# KiCad board VERA-XE-HDMI-Expansion.kicad_pcb
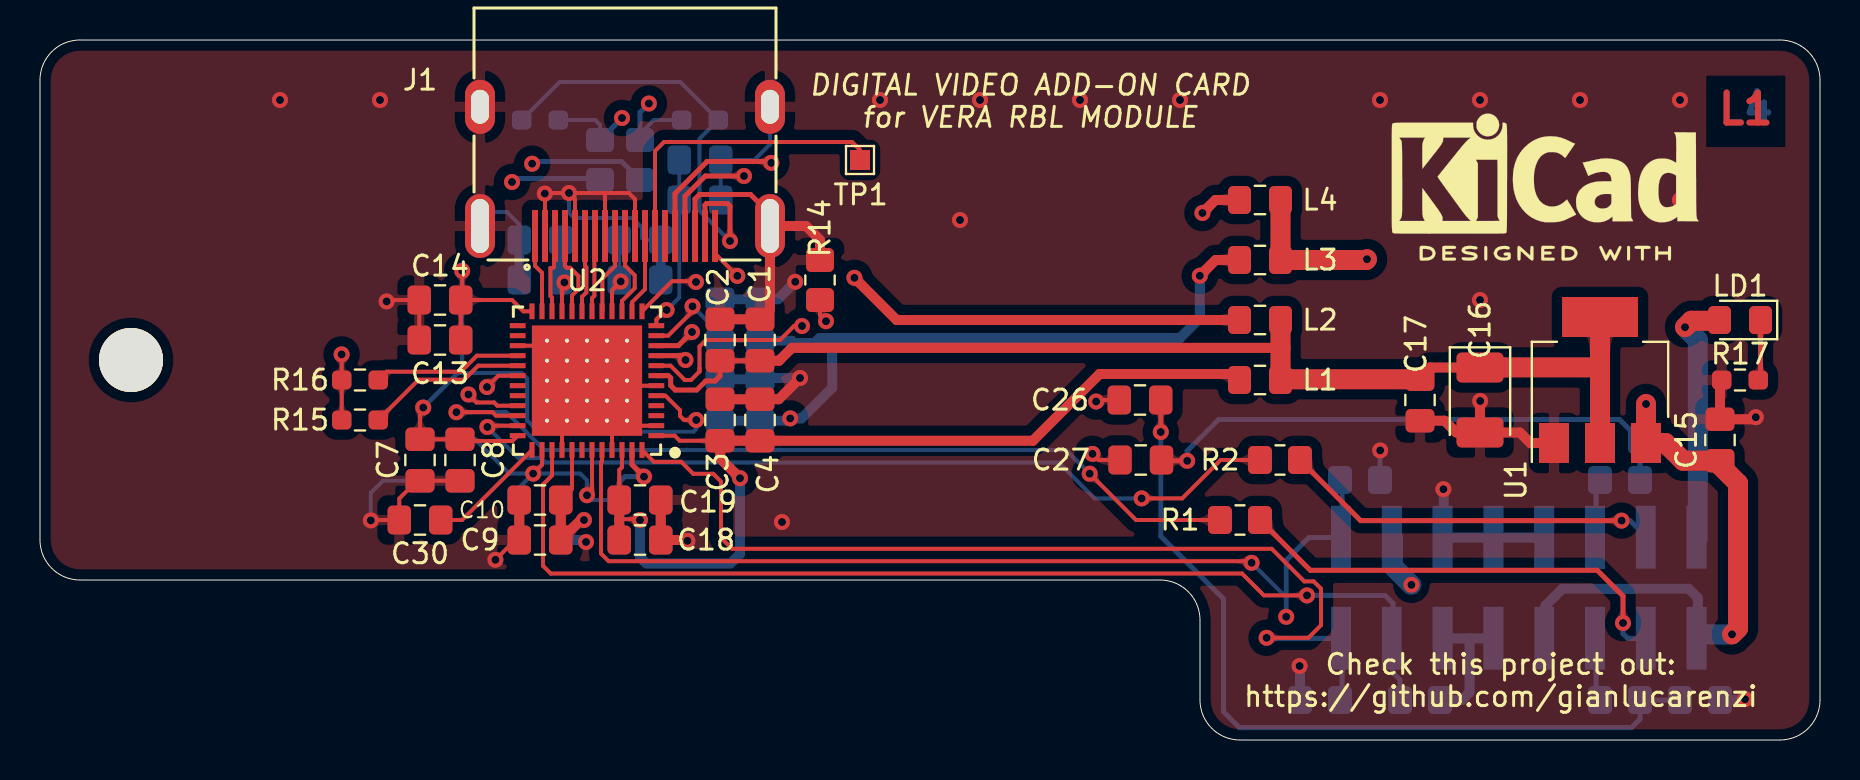
[diagram p0: board, top side]
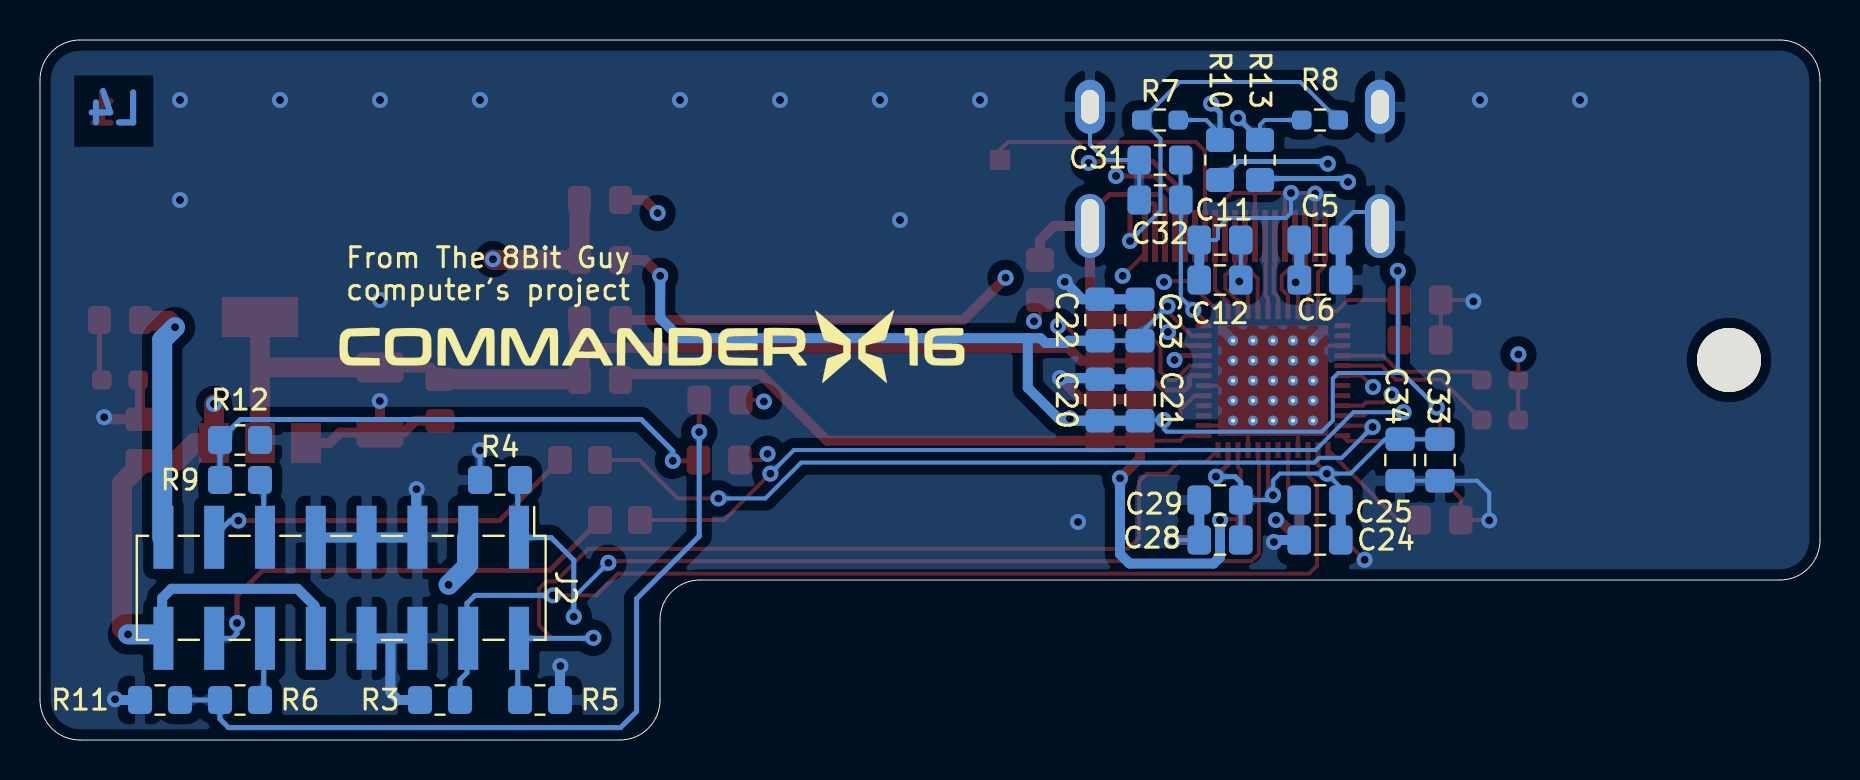
[diagram p1: board, bottom side, seen from below]

Outline 89 x 35 mm; copper layers: Top, In1.Cu, In2.Cu (plane), Bottom. Coordinates in mm from the lower left corner of the outline.
Outline path: 0,33 0,10 arc(0.59,8.59) 2,8 56,8 arc(57.41,7.41) 58,6 58,2 arc(58.59,0.59) 60,0 87,0 arc(88.41,0.59) 89,2 89,33 arc(88.41,34.41) 87,35 2,35 arc(0.59,34.41) 0,33

## Placement (name value [footprint] x y rotation side)
C1  22uF  [C_0805_2012Metric_Pad1.18x1.45mm_HandSolder]  36 20 90 top
C2  100nF  [C_0805_2012Metric_Pad1.18x1.45mm_HandSolder]  34 20 90 top
C3  22uF  [C_0805_2012Metric_Pad1.18x1.45mm_HandSolder]  34 16 90 top
C4  100nF  [C_0805_2012Metric_Pad1.18x1.45mm_HandSolder]  36 16 90 top
C5  22uF  [C_0805_2012Metric_Pad1.18x1.45mm_HandSolder]  25 25 180 bottom
C6  100nF  [C_0805_2012Metric_Pad1.18x1.45mm_HandSolder]  25 23 180 bottom
C7  22uF  [C_0805_2012Metric_Pad1.18x1.45mm_HandSolder]  19 14 270 top
C8  100nF  [C_0805_2012Metric_Pad1.18x1.45mm_HandSolder]  21 14 270 top
C9  22uF  [C_0805_2012Metric_Pad1.18x1.45mm_HandSolder]  25 10 180 top
C10  100nF  [C_0805_2012Metric_Pad1.18x1.45mm_HandSolder]  25 12 180 top
C11  22uF  [C_0805_2012Metric_Pad1.18x1.45mm_HandSolder]  30 25 0 bottom
C12  100nF  [C_0805_2012Metric_Pad1.18x1.45mm_HandSolder]  30 23 0 bottom
C13  22uF  [C_0805_2012Metric_Pad1.18x1.45mm_HandSolder]  20 20 180 top
C14  100nF  [C_0805_2012Metric_Pad1.18x1.45mm_HandSolder]  20 22 180 top
C15  100nF  [C_0805_2012Metric_Pad1.18x1.45mm_HandSolder]  84 15 90 top
C16  10uF-20V  [CP_EIA-3528-12_Kemet-T_Pad1.50x2.35mm_HandSolder]  72 17 270 top
C17  100nF  [C_0805_2012Metric_Pad1.18x1.45mm_HandSolder]  69 17 270 top
C18  22uF  [C_0805_2012Metric_Pad1.18x1.45mm_HandSolder]  30 10 0 top
C19  100nF  [C_0805_2012Metric_Pad1.18x1.45mm_HandSolder]  30 12 0 top
C20  22uF  [C_0805_2012Metric_Pad1.18x1.45mm_HandSolder]  36 17 90 bottom
C21  100nF  [C_0805_2012Metric_Pad1.18x1.45mm_HandSolder]  34 17 90 bottom
C22  22uF  [C_0805_2012Metric_Pad1.18x1.45mm_HandSolder]  36 21 90 bottom
C23  100nF  [C_0805_2012Metric_Pad1.18x1.45mm_HandSolder]  34 21 90 bottom
C24  22uF  [C_0805_2012Metric_Pad1.18x1.45mm_HandSolder]  25 10 0 bottom
C25  100nF  [C_0805_2012Metric_Pad1.18x1.45mm_HandSolder]  25 12 0 bottom
C26  470nF  [C_0805_2012Metric_Pad1.18x1.45mm_HandSolder]  55 17 0 top
C27  470nF  [C_0805_2012Metric_Pad1.18x1.45mm_HandSolder]  55.04 14 0 top
C28  22uF  [C_0805_2012Metric_Pad1.18x1.45mm_HandSolder]  30 10 0 bottom
C29  100nF  [C_0805_2012Metric_Pad1.18x1.45mm_HandSolder]  30 12 0 bottom
C30  100nF  [C_0805_2012Metric_Pad1.18x1.45mm_HandSolder]  19 11 180 top
C31  22uF  [C_0805_2012Metric_Pad1.18x1.45mm_HandSolder]  33 29 0 bottom
C32  100nF  [C_0805_2012Metric_Pad1.18x1.45mm_HandSolder]  33 27 0 bottom
C33  22uF  [C_0805_2012Metric_Pad1.18x1.45mm_HandSolder]  19 14 270 bottom
C34  100nF  [C_0805_2012Metric_Pad1.18x1.45mm_HandSolder]  21 14 270 bottom
H1  MountingHole  [MountingHole_3.2mm_M3]  4.55 19 0 top
J1  CONN_HDMI_A  [CONN_HDMI-A]  36.5 25.7 180 top
J2  CONN_SMD_HEADER_02x08_Odd_Even_2.54mm  [PinHeader_2x08_P2.54mm_Vertical_SMD]  73.94 7.61 270 bottom
L1  FB080590R100MHZ850mA  [L_0805_2012Metric_Pad1.15x1.40mm_HandSolder]  61 18 180 top
L2  FB080590R100MHZ850mA  [L_0805_2012Metric_Pad1.15x1.40mm_HandSolder]  61 21 180 top
L3  FB080590R100MHZ850mA  [L_0805_2012Metric_Pad1.15x1.40mm_HandSolder]  61 24 180 top
L4  FB080590R100MHZ850mA  [L_0805_2012Metric_Pad1.15x1.40mm_HandSolder]  61 27 180 top
LD1  GREEN  [LED_0805_2012Metric_Pad1.15x1.40mm_HandSolder]  85 21 180 top
LOGO1  KiCAD Logo  [KiCad-Logo2_6mm_SilkScreen]  75.25 28.34 0 top
LOGO2  Commander X16 Project  [x16logo]  58.4 19.69 180 bottom
R1  100R  [R_0805_2012Metric_Pad1.20x1.40mm_HandSolder]  60 11 0 top
R2  100R  [R_0805_2012Metric_Pad1.20x1.40mm_HandSolder]  62 14 0 top
R3  75R  [R_0805_2012Metric_Pad1.20x1.40mm_HandSolder]  69 2 180 bottom
R4  75R  [R_0805_2012Metric_Pad1.20x1.40mm_HandSolder]  66 13 180 bottom
R5  75R  [R_0805_2012Metric_Pad1.20x1.40mm_HandSolder]  64 2 0 bottom
R6  10K  [R_0805_2012Metric_Pad1.20x1.40mm_HandSolder]  79 2 0 bottom
R7  2K7  [R_0603_1608Metric_Pad0.98x0.95mm_HandSolder]  33 31 180 bottom
R8  2K7  [R_0603_1608Metric_Pad0.98x0.95mm_HandSolder]  25 31 0 bottom
R9  10K  [R_0805_2012Metric_Pad1.20x1.40mm_HandSolder]  79 13 0 bottom
R10  100R  [R_0805_2012Metric_Pad1.20x1.40mm_HandSolder]  30 29 270 bottom
R11  10K  [R_0805_2012Metric_Pad1.20x1.40mm_HandSolder]  83 2 180 bottom
R12  10K  [R_0805_2012Metric_Pad1.20x1.40mm_HandSolder]  79 15 0 bottom
R13  100R  [R_0805_2012Metric_Pad1.20x1.40mm_HandSolder]  28 29 270 bottom
R14  1K  [R_0805_2012Metric_Pad1.20x1.40mm_HandSolder]  39 23 90 top
R15  2K7  [R_0603_1608Metric_Pad0.98x0.95mm_HandSolder]  16 16 0 top
R16  2K7  [R_0603_1608Metric_Pad0.98x0.95mm_HandSolder]  16 18 0 top
R17  560R  [R_0603_1608Metric_Pad0.98x0.95mm_HandSolder]  85 18 180 top
TP1  TestPoint  [TestPoint_Pad_1.0x1.0mm]  41 29 0 top
U1  AMS1117-1.8  [SOT-223-3_TabPin2]  78 18 90 top
U2  -  [MS9288C]  27.35 17.97 180 top

## Footprints (pads in the part's own frame, mm; a bottom-side part is the same pattern mirrored in y, then rotated)
C_0805_2012Metric_Pad1.18x1.45mm_HandSolder
  rrect 1.175x1.45 smd: 1(-1.038,0) 2(1.038,0)
CONN_HDMI-A
  rect 0.3x2.6 smd: 1(11.75,0.5) 2(11.25,0.5) 3(10.75,0.5) 4(10.25,0.5) 5(9.75,0.5) 6(9.25,0.5) 7(8.75,0.5) 8(8.25,0.5) 9(7.75,0.5) 10(7.25,0.5) 11(6.75,0.5) 12(6.25,0.5) 13(5.75,0.5) 14(5.25,0.5) 15(4.75,0.5) 16(4.25,0.5) 17(3.75,0.5) 18(3.25,0.5) 19(2.75,0.5)
  oval 1.5x3.2 hole 0.9x2.7: SH(0,0) SH(14.5,0)
  oval 1.5x2.7 hole 0.9x1.7: SH(0,-5.96) SH(14.5,-5.96)
CP_EIA-3528-12_Kemet-T_Pad1.50x2.35mm_HandSolder
  rrect 1.5x2.35 smd: 1(-1.625,0) 2(1.625,0)
L_0805_2012Metric_Pad1.15x1.40mm_HandSolder
  rrect 1.15x1.4 smd: 1(-1.025,0) 2(1.025,0)
LED_0805_2012Metric_Pad1.15x1.40mm_HandSolder
  rrect 1.15x1.4 smd: 1(-1.025,0) 2(1.025,0)
MountingHole_3.2mm_M3
  round 3.2 hole 3.2 unplated: (0,0)
MS9288C
  rect 0.787x0.254 smd: 1(-3.467,2.75) 2(-3.467,2.25) 3(-3.467,1.75) 4(-3.467,1.25) 5(-3.467,0.75) 6(-3.467,0.25) 7(-3.467,-0.25) 8(-3.467,-0.75) 9(-3.467,-1.25) 10(-3.467,-1.75) 11(-3.467,-2.25) 12(-3.467,-2.75) 25(3.467,-2.75) 26(3.467,-2.25) 27(3.467,-1.75) 28(3.467,-1.25) 29(3.467,-0.75) 30(3.467,-0.25) 31(3.467,0.25) 32(3.467,0.75) 33(3.467,1.25) 34(3.467,1.75) 35(3.467,2.25) 36(3.467,2.75)
  rect 0.254x0.787 smd: 13(-2.75,-3.467) 14(-2.25,-3.467) 15(-1.75,-3.467) 16(-1.25,-3.467) 17(-0.75,-3.467) 18(-0.25,-3.467) 19(0.25,-3.467) 20(0.75,-3.467) 21(1.25,-3.467) 22(1.75,-3.467) 23(2.25,-3.467) 24(2.75,-3.467) 37(2.75,3.467) 38(2.25,3.467) 39(1.75,3.467) 40(1.25,3.467) 41(0.75,3.467) 42(0.25,3.467) 43(-0.25,3.467) 44(-0.75,3.467) 45(-1.25,3.467) 46(-1.75,3.467) 47(-2.25,3.467) 48(-2.75,3.467)
  round 0.5 hole 0.2: 49(-2,2) 49(-2,1) 49(-2,0) 49(-2,-1) 49(-2,-2) 49(-1,2) 49(-1,1) 49(-1,0) 49(-1,-1) 49(-1,-2) 49(0,2) 49(0,1) 49(0,0) 49(0,-1) 49(0,-2) 49(1,2) 49(1,1) 49(1,0) 49(1,-1) 49(1,-2) 49(2,2) 49(2,1) 49(2,0) 49(2,-1) 49(2,-2)
  rect 5.512x5.512 smd: 49(0,0)
PinHeader_2x08_P2.54mm_Vertical_SMD
  rect 3.15x1 smd: 1(-2.525,8.89) 2(2.525,8.89) 3(-2.525,6.35) 4(2.525,6.35) 5(-2.525,3.81) 6(2.525,3.81) 7(-2.525,1.27) 8(2.525,1.27) 9(-2.525,-1.27) 10(2.525,-1.27) 11(-2.525,-3.81) 12(2.525,-3.81) 13(-2.525,-6.35) 14(2.525,-6.35) 15(-2.525,-8.89) 16(2.525,-8.89)
R_0603_1608Metric_Pad0.98x0.95mm_HandSolder
  rrect 0.975x0.95 smd: 1(-0.912,0) 2(0.912,0)
R_0805_2012Metric_Pad1.20x1.40mm_HandSolder
  rrect 1.2x1.4 smd: 1(-1,0) 2(1,0)
SOT-223-3_TabPin2
  rect 2x1.5 smd: 1(-3.15,2.3) 2(-3.15,0) 3(-3.15,-2.3)
  rect 2x3.8 smd: 2(3.15,0)
TestPoint_Pad_1.0x1.0mm
  rect 1x1 smd: 1(0,0)

## Nets
1V8: C1.1 C2.1 C16.1 C17.1 L1.1 L2.1 U1.2 U2.7
3V3: J2.3 J2.15 L3.1 L4.1 LD1.2 R15.1 R16.1
5V: C15.1 J1.18 J2.10 J2.16 R7.1 R8.1 U1.3
/AVDD18_0: C5.1 C6.1 C11.1 C12.1 L2.2 U2.16 U2.21
/AVDD18_ADC_0: C3.1 C4.1 C9.1 C10.1 C18.1 C19.1 L1.2 U2.1 U2.41 U2.46
/AVDD33_0: C24.1 C25.1 C28.1 C29.1 C31.1 C32.1 C33.1 C34.1 L4.2 U2.12 U2.38 U2.43 U2.47
/DVDD33_0: C7.1 C8.1 C13.1 C14.1 C20.1 C21.1 C22.1 C23.1 L3.2 U2.5 U2.11 U2.24 U2.36
GND: C1.2 C2.2 C3.2 C4.2 C5.2 C6.2 C7.2 C8.2 C9.2 C10.2 C11.2 C12.2 C13.2 C14.2 C15.2 C16.2 C17.2 C18.2 C19.2 C20.2 C21.2 C22.2 C23.2 C24.2 C25.2 C28.2 C29.2 C30.2 C31.2 C32.2 C33.2 C34.2 J1.2 J1.5 J1.8 J1.11 J1.17 J1.SH J2.5 J2.6 J2.7 J2.8 J2.9 R3.1 R4.1 R5.1 R11.1 R12.1 R14.2 R17.2 U1.1 U2.2 U2.6 U2.27 U2.40 U2.45 U2.49
/DDC_SCL: J1.15 R7.2 R10.1
/DDC_SDA: J1.16 R8.2 R13.1
/HDMI_TX0+: J1.7 U2.18
/HDMI_TX0-: J1.9 U2.17
/HDMI_TX1+: J1.4 U2.20
/HDMI_TX1-: J1.6 U2.19
/HDMI_TX2+: J1.1 U2.23
/HDMI_TX2-: J1.3 U2.22
/HDMI_TXC+: J1.10 U2.15
/HDMI_TXC-: J1.12 U2.14
AUDIOL: J2.12 R6.1
AUDIOR: J2.11 R9.1
VGABLUE: J2.4 R3.2 U2.39
VGAGREEN: J2.1 R4.2 U2.44
VGAHSYNC: J2.14 R1.2
VGARED: J2.2 R5.2 U2.48
VGAVSYNC: J2.13 R2.2
Net-(C26-Pad1): C26.1 U2.30
Net-(C26-Pad2): C26.2 R6.2 R11.2
Net-(C27-Pad1): C27.1 U2.33
Net-(C27-Pad2): C27.2 R9.2 R12.2
Net-(C30-Pad1): C30.1 U2.37
Net-(J1-Pad13): J1.13 TP1.1
Net-(J1-Pad14): J1.14
Net-(J1-Pad19): J1.19 U2.8
Net-(LD1-Pad1): LD1.1 R17.1
Net-(R1-Pad1): R1.1 U2.34
Net-(R2-Pad1): R2.1 U2.35
Net-(R10-Pad2): R10.2 U2.10
Net-(R13-Pad2): R13.2 U2.9
Net-(R14-Pad1): R14.1 U2.13
Net-(R15-Pad2): R15.2 U2.29
Net-(R16-Pad2): R16.2 U2.28
Net-(U2-Pad3): U2.3
Net-(U2-Pad4): U2.4
Net-(U2-Pad25): U2.25
Net-(U2-Pad26): U2.26
Net-(U2-Pad31): U2.31
Net-(U2-Pad32): U2.32
Net-(U2-Pad42): U2.42

## Via types
v1: diameter 0.8, hole 0.4, Top to Bottom, 81 vias

## Routing (per net, layer and track width the routed paths; a pad name or vN(x,y) marks a point on that pad's centre or on a via; arc(x,y) is an arc through that point)
1V8: length 61.2
  Top w0.25: U2.7 31.42,18.22 31.54,18.1 31.54,17.72 31.76,17.5 32.84,17.5 33.29,17.95 33.75,17.95 34,18.2 C2.1 C1.1
  Top w0.5: C17.1 69,18.12 69.5,18.62 C16.1 ; 62.03,19.6 37.59,19.6 36.95,18.96 C1.1
  Top w1: C16.1 72,18.63 78,18.63 U1.2 U1.2 ; L2.1 L1.1 62.06,18.04 C17.1
3V3: length 26
  Top w0.2: v1(15.08,19.28) 15.09,19.27 R16.1 R15.1
  Top w1: v1(82.25,20.64) 82.57,20.96 83.94,20.96 LD1.2 ; v1(66.35,24.04) 66.31,24 L3.1 L4.1
  Bottom w1: 82.89,10.12 82.89,20 v1(82.25,20.64) ; 67.65,10.12 67.65,8.68 v1(68.57,7.76)
5V: length 107.5
  Top w0.25: v1(34.5,24.95) 34.5,26.7 34.37,26.83 33.33,26.83 33.25,26.75 J1.18
  Top w1: v1(80.3,16.8) U1.3 81.27,14.85 82.16,13.96 C15.1 84,13.73 84.9,12.83 84.9,5.58 v1(84.6,5.28)
  In1.Cu w0.5: v1(34.5,24.95) 34.5,26.25 36,27.75 38.8,27.75
  In1.Cu w1: v1(80.3,16.8) 80.3,22.5 75.05,27.75 38.8,27.75
  Bottom w0.2: R8.1 25.99,32.9 32.01,32.9 R7.1 32.97,30.06 32.97,26.47 34.5,24.95 v1(34.5,24.95)
  Bottom w0.5: 75.27,5.08 75.27,6.71 76.12,7.56 82.43,7.56 82.89,7.1 82.89,5.08
  Bottom w1: 82.89,5.08 83.09,5.28 v1(84.6,5.28)
/AVDD18_0: length 43.2
  Top w0.2: U2.16 28.6,22.49 v1(29.04,22.93) ; U2.21 26.1,22.76 v1(26.22,22.88)
  Top w0.5: L2.2 42.83,21 v1(40.72,23.11)
  In1.Cu w0.5: v1(26.22,22.88) 28.99,22.88 v1(29.04,22.93) 30.17,24.06 35.27,24.06 35.72,23.61 36.96,23.61 37.11,23.76 38.17,23.76 38.32,23.61 40.22,23.61 v1(40.72,23.11)
  Bottom w0.2: C11.1 C12.1
  Bottom w0.5: C6.1 26.16,22.88 v1(26.22,22.88) 26.04,23.06 C5.1
/AVDD18_ADC_0: length 59
  Top w0.2: C19.1 28.96,13.5 29.1,13.64 U2.46 ; C10.1 26.6,12.56 U2.41 ; C3.1 31.99,14.96 31.73,15.22 U2.1 ; 28.96,11.04 28.97,11.04 29.96,11.04 v1(30,11)
  Top w0.5: v1(35,13.09) 34,14.09 C3.1 C4.1 49.64,14.96 52.98,18.3 59.68,18.3 L1.2 ; v1(27.2,11) 27.04,11 C9.1 C10.1 ; C19.1 C18.1
  In1.Cu w0.5: v1(30,11) v1(27.2,11)
  Bottom w0.5: 30.17,8.97 30,9.15 ; 30,9.15 30.32,8.82 34.52,8.82 35,9.3 v1(35,13.09) ; 30,9.15 v1(30,11)
/AVDD33_0: length 86.6
  Top w0.2: U2.43 27.6,12.49 v1(27.35,12.24) ; v1(24.66,13.32) 25.1,13.76 U2.38 ; v1(31.33,21.5) 31.3,21.5 30.82,21.02 U2.12
  Top w0.25: U2.47 29.6,13.77 v1(30.2,13.17)
  Top w0.5: v1(58.12,26.35) 58.77,27 L4.2
  In1.Cu w0.5: v1(27.35,12.24) 52.61,12.24 54.3,13.93 54.3,22.53 v1(58.12,26.35)
  In2.Cu w0.5: v1(31.33,21.5) 31.33,13.53 30.97,13.17 v1(30.2,13.17)
  Bottom w0.2: C33.1 C34.1 21.75,15.04 23.47,13.32 v1(24.66,13.32) ; C25.1 23.96,12.63 v1(24.66,13.32) ; C28.1 C29.1 27.59,12 v1(27.35,12.24) 27.34,12.25 27.34,12.99 27.01,13.32 v1(24.66,13.32) ; v1(31.33,21.5) 31.96,22.13 C32.1 C31.1
  Bottom w0.25: C29.1 28.96,12.89 29.24,13.17 v1(30.2,13.17)
  Bottom w0.5: C24.1 C25.1
/DVDD33_0: length 85.9
  Top w0.2: U2.11 31.41,20.22 32.63,21.43 v1(32.63,21.68) ; v1(32.81,16) 32.2,16 32,16.2 32,16.49 31.27,17.22 U2.5 ; v1(21.11,23.46) 21.11,22.07 C14.1 ; C14.1 C13.1 ; C14.1 23.6,22 24.17,21.43 U2.24 ; U2.36 23.62,14.95 21.09,14.95 C8.1 C7.1 19,16.46 v1(19.16,16.62) ; 57.99,23.27 v1(57.99,23.21)
  Top w0.5: v1(57.99,23.21) 58.78,24 L3.2
  Bottom w0.2: 38.93,20.05 38.97,20.09 ; C21.1 33.96,16 v1(32.81,16) 32.81,15.55 32.68,15.42 24.91,15.42 24.36,15.97 24.36,18.08 24.09,18.35 20.89,18.35 v1(19.16,16.62) 21.11,18.57 v1(21.11,23.46) ; v1(32.63,21.68) 34,20.31 C23.1 C22.1 36.27,19.69
  Bottom w0.5: 39.61,20.09 39.61,17.61 38.08,16.08 v1(37.51,16.08) 37.39,15.96 C20.1 C21.1 ; 39.61,20.09 38.97,20.09 38.73,19.85 37.69,19.85 37.58,19.96 C22.1 ; 39.61,20.09 56.99,20.09 57.99,21.09 v1(57.99,23.21)
GND: length 142.9
  Top w0.2: U2.2 29.6,15.72 U2.49 ; U2.49 27.6,17.72 U2.6 ; U2.49 25.6,19.72 U2.27 ; U2.49 26.1,16.72 U2.40 ; U2.49 28.6,16.72 U2.45 ; v1(17.33,21.93) 17.4,22 C14.2 C13.2 ; 27.6,27.35 28.25,27.35 J1.8 ; 27.6,27.35 v1(26.45,27.35) ; 27.6,27.35 29.44,27.35 29.75,27.04 J1.11 ; v1(22.77,9.01) 23.76,10 C9.2 ; v1(16.54,10.98) 16.56,11 C30.2 17.96,12.07 18.85,12.96 C7.2 C8.2 ; v1(26.45,27.35) 25.27,27.35 v1(25.24,27.32) 25.25,27.31 J1.2 ; v1(26.45,27.35) 26.75,27.05 J1.5
  Top w0.25: J1.SH 36.5,26.3 35.52,27.28 32.98,27.28 32.75,27.05 J1.17
  Top w0.5: C10.2 C9.2 ; v1(38,18.1) 36.94,17.04 C4.2 C3.2 ; C19.2 C18.2 32.33,10 v1(32.37,9.96) ; C16.2 74,15.38 74.52,14.85 U1.1 ; C16.2 70.81,15.38 70.23,15.96 C17.2 ; C16.2 72,16.94 v1(72.01,16.95) ; R17.2 84,17.91 C15.2 85.69,16.04 v1(85.79,16.14) ; R14.2 39,25 38.3,25.7 J1.SH 36.5,21.54 C1.2 C2.2
  Bottom w0.2: J1.SH 36.5,29.78 35.72,29 C31.2 C32.2 ; C8.2 C7.2 17.14,12.96 16.54,12.36 v1(16.54,10.98) ; C11.2 30.2,25 30.1,25.1 30.1,25.6 29.6,26.1 26.7,26.1 26.45,26.35 v1(26.45,27.35) ; C18.2 32.33,10 v1(32.37,9.96) ; J1.SH 22.7,26.4 23.34,26.4 23.96,25.78 C5.2 ; 37.94,18.04 v1(38,18.1)
  Bottom w0.25: R4.1 67,14.47 v1(67.01,14.48)
  Bottom w0.5: v1(38,18.1) 36.06,18.1 C20.2 C21.2 ; 70.19,5.08 71.48,5.08 ; 71.48,5.08 72.73,5.08 ; 71.48,5.08 71.48,2.39 71.09,2 R3.1 ; C23.2 C22.2 36.89,22.04 v1(37.76,22.91) ; v1(62.98,3.7) 63,3.68 R5.1 ; v1(70.17,12.54) 70.19,12.52 70.19,10.12 75.27,10.12 ; v1(85.25,2.04) 85.21,2 R11.1 ; C12.2 C11.2 ; v1(27.3,9.9) 27.2,10 C24.2 ; C6.2 C5.2 ; C19.2 C18.2
  vias: v1(12,32) v1(17,32) v1(37.1,10.9) v1(42,32) v1(46,26) v1(47,32) v1(52,32) v1(57,32) v1(67,32) v1(72,32) v1(72,22) v1(77,32) v1(82,32) v1(82,27)
/DDC_SCL: length 19.7
  Top w0.25: J1.15 31.75,27.32 33.35,28.93 36.49,28.93 v1(36.56,28.86)
  In1.Cu w0.25: v1(36.56,28.86) 33.59,31.83 v1(30.44,31.83)
  Bottom w0.2: R7.2 30.69,31 30,30.31 R10.1
  Bottom w0.25: R10.1 30,31.38 v1(30.44,31.83)
/DDC_SDA: length 17.8
  Top w0.25: J1.16 32.25,27.19 33.26,28.2 v1(35.2,28.2)
  In1.Cu w0.25: v1(29.1,31.1) 33.4,31.1 35.2,29.3 v1(35.2,28.2)
  Bottom w0.2: R13.1 28,30.76 27.76,31 R8.2
  Bottom w0.25: R13.1 v1(29.1,31.1)
/HDMI_TX0+: length 3.8
  Top w0.2: J1.7 27.72,25.17 27.72,22.21 27.6,22.09 U2.18
/HDMI_TX0-: length 4
  Top w0.2: U2.17 28.12,21.45 28.12,23.07 28.75,23.7 J1.9
/HDMI_TX1+: length 4.3
  Top w0.2: U2.20 26.6,22.22 26.92,22.54 26.92,23.2 26.51,23.61 26.34,23.61 26.25,23.7 J1.4
/HDMI_TX1-: length 3.9
  Top w0.2: U2.19 27.1,22.16 27.32,22.38 27.32,23.63 27.25,23.7 J1.6
/HDMI_TX2+: length 3.9
  Top w0.2: J1.1 24.75,23.71 25.1,23.36 U2.23
/HDMI_TX2-: length 4
  Top w0.2: U2.22 25.6,22.12 25.52,22.2 25.52,23.6 25.64,23.6 25.7,23.66 25.7,25.15 J1.3
/HDMI_TXC+: length 4.2
  Top w0.2: J1.10 29.25,23.72 29.74,23.23 29.74,22.59 29.1,21.95 U2.15
/HDMI_TXC-: length 4
  Top w0.2: J1.12 30.25,22.54 29.6,21.89 U2.14
AUDIOL: length 3.2
  Bottom w0.25: R6.1 77.81,2.19 77.81,5.08
AUDIOR: length 3
  Bottom w0.25: 77.81,10.12 77.81,12.81 R9.1
VGABLUE: length 54.2
  Top w0.2: v1(63.35,7.23) 61.19,7.23 60.1,8.33 25.53,8.33 25.15,8.71 25.15,12.78 25.6,13.23 U2.39
  Bottom w0.25: v1(63.35,7.23) 67.25,7.23 67.65,6.83 67.65,3.36 68,3.01 R3.2
VGAGREEN: length 50.4
  Top w0.2: v1(60.58,8.86) 60.5,8.94 28.43,8.94 28.05,9.32 28.05,13.89 28.1,13.94 U2.44
  Bottom w0.2: v1(62.31,6.16) 62.31,7.13 v1(60.58,8.86)
  Bottom w0.25: R4.2 65.11,12.89 65.11,10.12 63.44,10.12 62.31,8.99 v1(62.31,6.16)
VGAHSYNC: length 22.9
  Top w0.25: v1(79.15,5.85) 79.15,7.2 77.86,8.49 63.51,8.49 R1.2
  Bottom w0.25: v1(79.15,5.85) 79.15,5.32 79.39,5.08 80.35,5.08
VGARED: length 50.2
  Top w0.2: U2.48 30.69,13.91 32.06,13.91 32.66,13.31 33.66,13.31 34.05,12.92 34.05,10.11 34.6,9.56 61.59,9.56 63.22,7.93 63.69,7.93 64.05,7.57 64.05,5.74 63.42,5.11 v1(61.33,5.11)
  Bottom w0.25: R5.2 65.11,2.11 65.11,5.08 61.36,5.08 v1(61.33,5.11)
VGAVSYNC: length 19
  Top w0.25: v1(79.08,10.97) 66.03,10.97 R2.2
  Bottom w0.25: 80.35,10.12 79.5,10.97 v1(79.08,10.97)
Net-(C26-Pad1): length 35.3
  Top w0.2: U2.30 22.92,18.22 v1(22.35,17.65) ; C26.1 52.88,17 v1(52.81,16.92)
  In1.Cu w0.2: v1(22.35,17.65) 22.62,17.65 25.32,14.95 50.83,14.95 v1(52.81,16.92)
Net-(C26-Pad2): length 41.2
  Top w0.25: C26.2 56.04,17 v1(56.04,15.4)
  Bottom w0.25: v1(56.04,15.4) 56.04,10.19 59.17,7.06 59.17,1.42 59.97,0.62 79.57,0.62 80,1.05 R6.2 R11.2
Net-(C27-Pad1): length 36.6
  Top w0.2: U2.33 22.86,16.72 22.7,16.88 21.82,16.88 v1(21.42,17.28) ; v1(52.62,14.31) 52.93,14 C27.1
  In1.Cu w0.2: v1(52.62,14.31) 25.4,14.31 22.83,16.88 21.82,16.88 v1(21.42,17.28)
Net-(C27-Pad2): length 27.5
  Top w0.25: v1(57.36,13.96) 56.12,13.96 C27.2
  Bottom w0.25: R9.2 R12.2 78.97,16.03 58.94,16.03 57.36,14.45 v1(57.36,13.96)
Net-(C30-Pad1): length 6
  Top w0.2: C30.1 21.1,11 U2.37
Net-(J1-Pad13): length 15.4
  Top w0.2: TP1.1 41,29.5 40.6,29.9 31.2,29.9 30.75,29.45 J1.13
Net-(J1-Pad19): length 16.3
  Top w0.2: 32.97,18.6 32.97,18.43 ; 32.97,18.43 32.55,18 32.24,18 31.52,18.72 U2.8 ; 32.97,18.43 32.97,19.67 33.3,20 37,20 37.7,20.7 v1(38.1,20.7) ; J1.19 33.75,24.32 v1(34.87,23.21)
  In1.Cu w0.2: v1(38.1,20.7) 37.37,20.7 v1(34.87,23.21)
Net-(LD1-Pad1): length 3
  Top w0.25: R17.1 86.03,18.11 LD1.1
Net-(R1-Pad1): length 43.5
  Top w0.2: v1(20.82,16.39) 22.63,16.39 22.8,16.22 U2.34 ; v1(52.48,13.32) 54.8,11 R1.1
  Bottom w0.2: v1(20.82,16.39) 23.32,16.39 25.22,14.5 51.3,14.5 v1(52.48,13.32)
Net-(R2-Pad1): length 42.4
  Top w0.2: U2.35 22.44,15.72 v1(22.37,15.65) ; R2.1 59.03,14 57.11,12.08 v1(55.08,12.08)
  Bottom w0.2: v1(55.08,12.08) 52.73,12.08 50.94,13.87 25.28,13.87 25.04,14.11 23.91,14.11 v1(22.37,15.65)
Net-(R10-Pad2): length 24.7
  Top w0.25: U2.10 31.92,19.72 v1(32.6,20.4)
  In1.Cu w0.25: v1(24.61,28.81) 24.51,28.72 24.51,22.19 24.9,21.8 29.8,21.8 30.5,21.1 30.5,20.3 30.6,20.2 30.6,19.7 31.9,19.7 v1(32.6,20.4)
  Bottom w0.25: R10.2 29.07,28.93 24.72,28.93 v1(24.61,28.81)
Net-(R13-Pad2): length 22.7
  Top w0.25: U2.9 32.06,19.22 v1(32.27,19)
  In1.Cu w0.25: v1(32.27,19) 32.07,19.2 30.2,19.2 30,19.4 30,20.7 29.5,21.2 24.2,21.2 23.6,21.8 v1(23.6,27.9)
  Bottom w0.25: v1(23.6,27.9) 23.78,28.08 27.92,28.08 R13.2
Net-(R14-Pad1): length 12.9
  Top w0.2: v1(32.8,22.9) 32.76,22.94 31.61,22.94 U2.13 ; R14.1 39,21.24 v1(39.3,20.94)
  In1.Cu w0.2: v1(32.8,22.9) 35.7,20 38.93,20 39.3,20.37 v1(39.3,20.94)
Net-(R15-Pad2): length 8.1
  Top w0.2: U2.29 21.91,18.72 21.21,18.02 18.93,18.02 R15.2
Net-(R16-Pad2): length 7.5
  Top w0.2: R16.2 17.33,18.42 21.04,18.42 21.84,19.22 U2.28
